# KiCad board dilemma.kicad_pcb (continued)
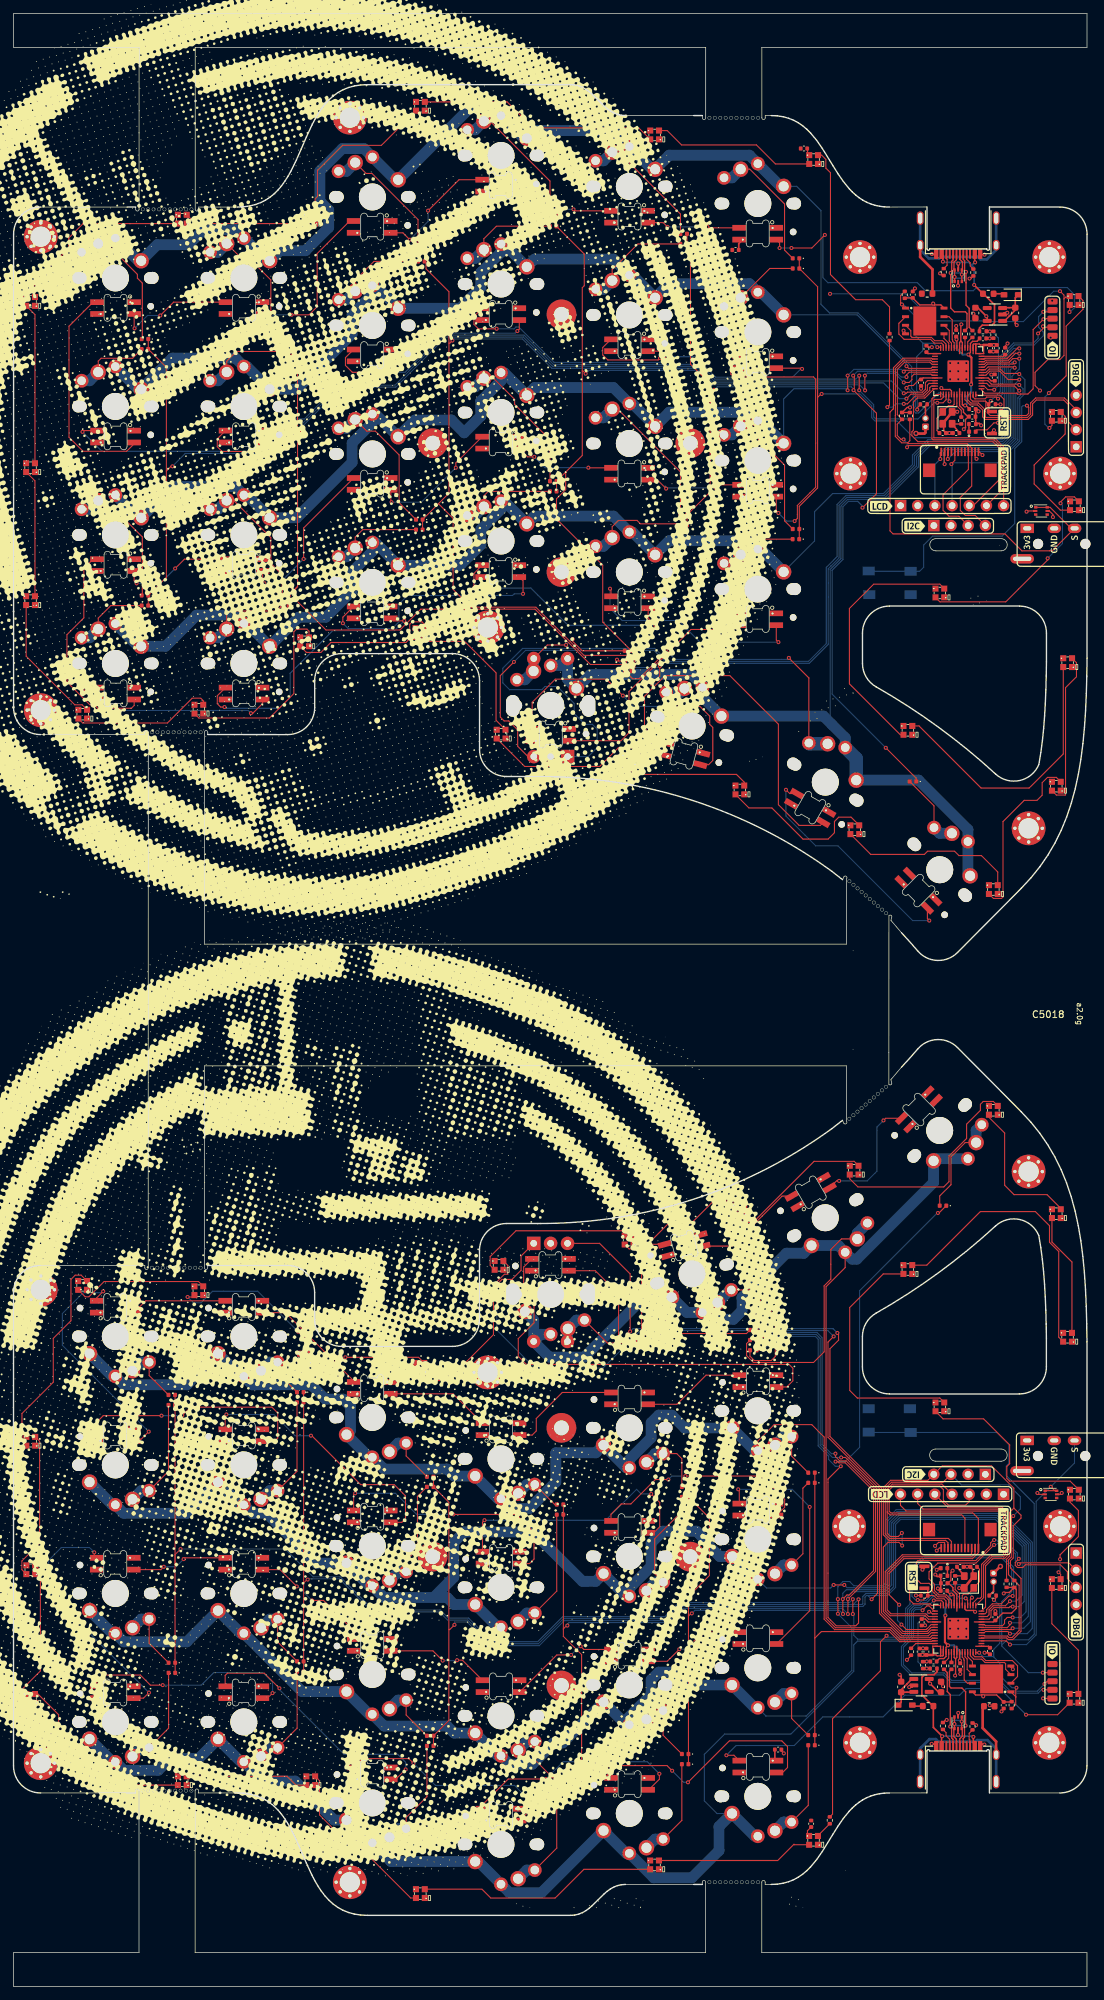
[diagram p0: board, top side]
## Routing (per net, layer and track width the routed paths; a pad name or vN(x,y) marks a point on that pad's centre or on a via; arc(x,y) is an arc through that point) (continued)
VBUS: length 21.4
  Top w0.25: U4.5 139.7,253.88 v1(139.7,254.74) ; v1(142.05,251.59) 142.05,251.58 F1.1 143.42,250.28 145.06,248.64 145.06,246.01 144.68,245.64 143.26,245.64 142.83,245.21 R10.2 ; 142.13,256.09 142.13,254.99 v1(142.19,254.93) ; 137.23,256.09 137.43,255.89 v1(137.43,255.03)
  Bottom w0.25: v1(139.7,254.74) 139.62,254.82 139.62,254.92 ; 141.69,254.5 142.05,254.14 v1(142.05,251.59) ; 141.69,254.5 141.27,254.92 139.62,254.92 ; 141.69,254.5 142.11,254.93 v1(142.19,254.93) ; 139.62,254.92 137.54,254.92
VBUS_L: length 21.2
  Top w0.25: v1(139.66,37.2) 139.66,38.06 U5003.5 ; v1(137.32,37) 137.22,36.9 137.22,35.85 ; v1(137.32,37) 137.28,37 ; v1(137.32,37) 137.32,37 136.02,38.31 136.02,41.44 F5001.1 135.96,41.46 134.32,43.1 134.32,45.72 134.7,46.1 136.12,46.1 136.55,46.52 R5009.2 ; v1(141.93,36.9) 141.93,36.05 142.12,35.85
  Bottom w0.25: 139.74,37.02 139.74,37.12 v1(139.66,37.2) ; 139.74,37.02 137.34,37.02 v1(137.32,37) ; 139.74,37.02 141.81,37.02 v1(141.93,36.9)
/D+: length 19.4
  Top w0.2: 138.93,256.09 138.93,255.28 138.74,255.08 138.74,253.52 v1(138.58,253.36) 138.58,248.17 139.14,247.61 140.75,247.61 140.99,247.37 140.99,245.14 R6.1 ; U4.3 v1(140.22,253.12) U4.4 140.31,253.88 140.31,254.99 139.93,255.37 139.93,256.09
  Bottom w0.2: v1(140.22,253.12) 139.99,253.36 v1(138.58,253.36)
/D+_L: length 19.2
  Top w0.2: 139.42,35.85 139.42,36.57 139.04,36.95 139.04,38.06 U5003.4 v1(139.13,38.81) U5003.3 ; R5006.1 138.39,46.6 138.39,44.36 138.63,44.13 140.24,44.13 140.79,43.58 140.78,43.56 v1(140.78,38.58) 140.62,38.42 140.62,36.85 140.42,36.66 140.42,35.85
  Bottom w0.2: v1(140.78,38.58) 139.37,38.58 v1(139.13,38.81)
/D-: length 18.4
  Top w0.2: 139.43,256.09 139.43,255.32 139.06,254.95 139.06,253.88 U4.6 v1(139.15,252.76) U4.1 ; 140.43,256.09 140.43,255.39 140.64,255.18 140.64,253.71 v1(140.84,253.51) 140.84,251.94 140.85,251.93 140.85,248.58 141.31,248.12 141.31,245.32 R7.1
  Bottom w0.2: v1(140.84,253.51) 140.84,252.99 140.44,252.59 139.32,252.59 v1(139.15,252.76)
/D-_L: length 18.2
  Top w0.2: 139.92,35.85 139.92,36.62 140.29,36.99 140.29,38.06 U5003.6 v1(140.21,39.17) U5003.1 ; 138.92,35.85 138.92,36.55 138.72,36.76 138.72,38.22 v1(138.52,38.43) 138.52,43.14 138.53,43.15 138.07,43.61 138.07,46.41 R5007.1
  Bottom w0.2: v1(140.21,39.17) 140.03,39.35 138.92,39.35 138.52,38.94 v1(138.52,38.43)
/LED: length 12.1
  Top w0.16: 142.28,229.99 142.45,230.16 143.94,230.16 144.97,231.19 v1(145.57,231.19) ; U1.28 142.39,235.29 145.84,235.29 146.45,234.69 146.45,233.44 v1(145.98,232.97)
  Bottom w0.16: v1(145.57,231.19) 145.57,232.56 v1(145.98,232.97)
/LED_L: length 14.4
  Top w0.16: U5002.28 135.73,56.34 135.5,56.57 133.1,56.57 132.5,57.17 132.5,58.67 133,59.17 133.37,59.17 v1(133.46,59.08) ; v1(136.51,61.6) 136.75,61.85 D5001.2
  Bottom w0.16: v1(136.51,61.6) 135.93,62.19 133.99,62.19 133.46,61.66 v1(133.46,59.08)
/MISO: length 28.5
  Top w0.16: 143.13,237.03 143.9,237.03 144.31,236.63 148.01,236.63 148.7,235.95 ; J113.2 137.64,226.86 137.64,225.12 v1(137.68,225.09)
  Bottom w0.16: 148.7,235.95 148.22,235.47 148.22,228.79 146.66,227.23 137.94,227.23 137.55,226.84 137.55,225.22 v1(137.68,225.09)
  vias: v1(148.72,235.95)
/MISO_L: length 27.9
  Top w0.16: U5002.31 135.31,54.7 134.91,55.11 129.75,55.11 129.19,55.67 129.19,61.18 131.55,63.54 141.68,63.54 142.18,64.04 J5007.2
/MOSI: length 36.3
  Top w0.16: J113.5 139.19,225.64 138.68,225.13 ; U1.35 143.77,238.63 144.28,239.14 145.93,239.14 146.57,238.5 148.62,238.5 v1(148.72,238.41)
  Bottom w0.16: 138.68,225.13 138.84,225.29 145.55,225.29 148.79,228.54 148.79,234.75 149.56,235.52 149.56,237.57 v1(148.72,238.41) ; v1(138.68,225.09) 138.78,224.98 J3.4
/MOSI_L: length 59.7
  Top w0.16: J5004.4 137.28,74.27 129.95,74.27 129.19,73.51 129.19,70.15 ; 129.19,70.15 129.61,69.73 140.2,69.73 140.68,69.25 J5007.5 ; 129.19,70.15 129.19,67.02 129.68,66.53 130.83,66.53 v1(131.36,67.06) ; v1(131.41,65.19) 130.92,65.67 129.32,65.67 128.62,64.96 128.62,55.43 131.56,52.49 134.93,52.49 134.93,52.49 135.09,52.49 135.7,53.1 U5002.35
  Bottom w0.16: v1(131.41,65.19) 131.41,67.01 v1(131.36,67.06)
/QSPI_D0: length 2.4
  Top w0.16: U2.5 137.59,243.68 138.29,242.98 U1.53
/QSPI_D0_L: length 2.4
  Top w0.16: U5002.53 141.09,48.75 141.79,48.05 U5004.5
/QSPI_D1: length 10.7
  Top w0.16: U1.55 137.49,242.72 137.23,242.98 136.17,242.98 135.61,243.55 131.69,243.55 130.92,244.32 130.92,245.91 U2.2
/QSPI_D1_L: length 10.7
  Top w0.16: U5004.2 148.46,45.82 148.46,47.41 147.69,48.19 143.78,48.19 143.21,48.75 142.15,48.75 141.89,49.02 U5002.55
/QSPI_D2: length 8.2
  Top w0.16: U2.3 132.68,244.85 132.68,244.01 132.86,243.83 135.72,243.83 136.22,243.33 137.39,243.33 137.89,242.83 U1.54
/QSPI_D2_L: length 8.2
  Top w0.16: U5002.54 141.49,48.9 141.99,48.4 143.16,48.4 143.66,47.9 146.52,47.9 146.7,47.72 146.7,46.89 U5004.3
/QSPI_D3: length 5.7
  Top w0.16: U1.51 139.09,243.04 138.86,243.27 138.86,243.43 138.8,243.49 138.8,246.41 138.32,246.89 U2.7
/QSPI_D3_L: length 5.7
  Top w0.16: U5004.7 141.06,44.84 140.58,45.32 140.58,48.25 140.52,48.31 140.52,48.47 140.29,48.7 U5002.51
/QSPI_SCLK: length 3.8
  Top w0.16: U1.52 138.69,242.98 138.37,243.31 138.37,244.84 U2.6
/QSPI_SCLK_L: length 3.8
  Top w0.16: U5002.52 140.69,48.75 141.01,48.42 141.01,46.89 U5004.6
/QSPI_~{CS}: length 25.2
  Top w0.16: 131.18,248.96 131.18,248.89 U2.1 ; 131.18,248.96 131.18,250.03 R9.1 ; 131.18,248.96 131.37,248.77 v1(131.37,248.7) ; v1(136.59,242.38) 137.09,242.38 U1.56 ; R3.2 134.08,233.85 133.63,233.4 v1(133.63,233.16)
  Bottom w0.16: 134.44,242.38 134.44,241.88 133.54,240.98 133.54,235.93 133.63,235.85 v1(133.63,233.16) ; 134.44,242.38 134.44,243.01 133.3,244.15 133.3,246.99 131.59,248.7 v1(131.37,248.7) ; 134.44,242.38 134.44,242.88 134.52,242.96 136.03,242.96 136.59,242.4 v1(136.59,242.38)
/QSPI_~{CS}_L: length 24.3
  Top w0.16: 148.2,42.78 148.2,44.07 v1(148.3,44.17) ; 148.2,42.78 148.2,41.71 R5011.1 ; 148.2,42.78 148.2,42.85 U5004.1 ; v1(144.98,57.16) 145.3,57.48 R5003.2 ; v1(142.79,49.35) 142.29,49.35 U5002.56
  Bottom w0.16: v1(148.3,44.17) 147.64,44.17 145.84,45.97 145.84,47.83 144.94,48.73 144.94,49.35 ; v1(142.79,49.35) 142.79,49.33 143.35,48.77 144.86,48.77 144.94,48.85 144.94,49.35 ; 144.94,49.35 144.94,49.85 145.84,50.75 145.84,56.3 v1(144.98,57.16)
/SCLK: length 36.4
  Top w0.16: 148.74,237.59 147.08,237.59 145.82,238.85 144.39,238.85 143.78,238.23 U1.34 ; v1(137.04,225.85) 137.04,226.76 J113.1
  Bottom w0.16: J3.3 136.24,225.05 v1(137.04,225.85) 137.04,226.74 137.85,227.54 146.57,227.54 147.93,228.91 147.93,236.8 148.72,237.59
  vias: v1(148.72,237.59)
/SCLK_L: length 65.8
  Top w0.16: J5004.3 141.31,71.7 140.78,71.17 138.25,71.17 137.5,71.92 137.5,73.47 136.98,73.98 130.06,73.98 129.48,73.39 129.48,70.27 129.73,70.02 141.84,70.02 142.68,69.18 J5007.1 142.68,64.14 141.79,63.25 131.66,63.25 129.48,61.07 129.48,57.92 v1(130.96,56.44) ; v1(131.3,53.52) 132.04,52.78 134.97,52.78 135.69,53.5 U5002.34
  Bottom w0.16: v1(131.3,53.52) 130.71,54.1 130.71,56.19 v1(130.96,56.44)
/SWCLK: length 24.5
  Top w0.16: J105.3 155.98,231.35 155.98,233.89 155.3,234.57 151.24,234.57 150.69,234.01 150.69,232.36 150.03,231.7 143.68,231.7 143.29,232.08 143.29,233.1 142.56,233.84 141.46,233.84 140.69,234.6 U1.24
/SWCLK_L: length 32.9
  Top w0.16: J5005.3 156.04,62.64 148.83,62.64 v1(148.65,62.46) ; U5002.24 138.69,57.13 137.92,57.9 136.82,57.9 136.18,58.54 136.18,59.47 135.38,60.27 135.38,61.31 136.68,62.61 142.32,62.61 v1(145,65.29)
  Bottom w0.16: v1(145,65.29) 145.06,65.35 145.37,65.35 145.55,65.53 146.58,65.53 148.14,63.97 148.14,62.96 v1(148.65,62.46)
/SWD: length 21.8
  Top w0.16: J105.2 157.14,233.13 155.4,234.87 151.14,234.87 150.4,234.13 150.4,232.48 149.91,231.98 143.8,231.98 143.7,232.08 143.7,233.1 142.68,234.12 141.58,234.12 141.09,234.61 U1.25
/SWD_L: length 40.5
  Top w0.16: U5002.25 138.29,57.13 137.8,57.61 136.7,57.61 136.09,58.22 135.89,58.42 135.89,59.11 135.4,59.61 134.15,59.61 133.54,60.22 133.54,62.78 133.73,62.97 142.27,62.97 144.49,65.18 144.49,65.6 144.9,66.01 v1(145,66.01) ; J5005.2 155.84,60.3 155.84,61.31 154.8,62.35 149.64,62.35 149.24,61.95 148.44,61.95 148.13,62.26 148.13,62.71 v1(148.65,63.24)
  Bottom w0.16: v1(145,66.01) 145.36,66.01 145.56,65.82 146.7,65.82 148.43,64.09 148.43,63.46 v1(148.65,63.24)
/~{RESET_L}: length 107.6
  Top w0.16: U5002.26 137.89,57.02 137.59,57.32 136.54,57.32 136.07,57.8 R5002.1 134.54,57.14 v1(133.71,57.14) ; J5008.4 v1(152.2,46.4)
  Top w0.25: R5002.1 135.2,58.84 135.16,58.88 SW5001.2
  Bottom w0.16: J5008.4 v1(152.2,46.4) 150.07,46.4 146.12,50.34 146.12,50.49 ; 146.12,50.49 146.89,51.26 150.09,51.26 150.93,52.09 150.93,71.41 146.79,75.55 146.79,76.94 147.18,77.33 147.18,80.1 145.36,81.92 SW5021.1 126.5,81.92 SW5021.1 ; 146.12,50.49 146.12,56.89 147.6,58.36 147.6,61.87 146.08,63.39 134.73,63.39 132.85,61.51 132.85,57.69 133.4,57.14 v1(133.71,57.14)
/~{RESET}: length 79.2
  Top w0.16: v1(151.5,244.41) 152.23,245.14 v1(152.23,245.47) 152.36,245.33 J4.4 ; v1(149.85,233.74) 150.12,233.47 150.12,232.6 149.79,232.27 144.42,232.27 143.99,232.7 143.99,233.22 143.78,233.43 143.78,234.34 143.74,234.38 ; 143.74,234.38 143.71,234.41 141.8,234.41 141.49,234.71 U1.26 ; 143.74,234.38 R2.1 144.49,234.24 v1(144.49,234.43)
  Top w0.25: SW1.2 144.22,232.86 144.18,232.89 R2.1
  Bottom w0.16: v1(149.85,233.74) 149.27,233.74 149.08,233.55 149.08,228.42 148.05,227.39 148.05,216.31 146.19,214.45 135.91,214.45 134.58,213.12 134.58,209.85 133.97,209.24 SW5022.1 126.5,209.24 SW5022.1 ; v1(152.23,245.47) 152.38,245.32 J5010.4 ; v1(151.5,244.41) 151.5,243.69 150.81,243 147.88,243 145.93,241.04 145.93,235.86 v1(144.49,234.43)
ENC_PIN1: length 134.5
  Top w0.16: v1(74,195.84) 71.97,193.82 71.97,187.69 72.55,187.12 73.22,187.12 74.55,185.79 74.55,183.37 76.07,181.85 SW3002.B ; 148.13,239.35 148.01,239.47 144.11,239.47 143.67,239.03 143.13,239.03
  Bottom w0.16: 148.13,239.35 147.69,239.35 147.36,239.02 147.36,229.14 146.33,228.12 135.41,228.12 133.52,226.23 133.52,224.82 128.87,220.16 123.22,220.16 122.07,219.01 122.07,211.23 120.87,210.03 120.87,210.03 120.47,209.63 120.47,198.44 117.67,195.64 96.62,195.64 94.71,197.55 75.71,197.55 v1(74,195.84)
  vias: v1(148.04,239.35)
ENC_PIN1_L: length 105.2
  Top w0.16: U5002.36 135.7,52.7 135.2,52.2 131.42,52.2 128.33,55.29 128.33,73.72 120.72,81.32 120.72,94.29 122,95.57 122,96.45 v1(121.82,96.63) ; v1(91.17,96.84) 91.17,105.37 86.67,109.88 SW5020.B
  Bottom w0.16: v1(91.17,96.84) 91.6,97.27 121.18,97.27 v1(121.82,96.63)
ENC_PIN2: length 147.1
  Top w0.16: v1(148.04,240.14) 147.79,239.89 144,239.89 143.55,239.43 143.13,239.43
  Bottom w0.16: SW3002.A 84.98,181.85 86.3,183.17 86.3,185.92 85.6,186.62 84.5,186.62 82.9,188.22 82.9,189.72 80.4,192.22 78.6,192.22 78.12,191.74 73.35,191.74 72.35,192.74 72.35,194.91 75.28,197.84 94.83,197.84 96.74,195.93 117.55,195.93 120.18,198.56 120.18,209.82 121.78,211.42 121.78,219.13 123.1,220.45 128.75,220.45 133.21,224.91 133.21,226.32 135.31,228.41 146.23,228.41 147.07,229.26 147.07,239.57 147.64,240.14 v1(148.04,240.14)
ENC_PIN2_L: length 124.9
  Top w0.16: v1(71.47,100.37) 71.47,103.79 72.22,104.54 73.7,104.54 75.05,105.89 75.05,108.01 SW5020.A ; U5002.37 135.73,52.3 135.27,51.85 131.36,51.85 128.04,55.17 128.04,73.6 120.44,81.2 120.44,95.28 v1(121.27,96.12)
  Bottom w0.16: v1(121.27,96.12) 120.41,96.98 92.71,96.98 87.17,91.44 77.07,91.44 71.47,97.04 v1(71.47,100.37)
encoder_diode: length 20.4
  Top w0.16: SW3002.S1 78.93,198.35 v1(81.7,198.35) ; v1(82.68,199.21) 82.68,198.9 84.09,197.49 D5082.2
  Bottom w0.16: v1(81.7,198.35) 82.56,199.21 v1(82.68,199.21)
  Bottom w1.6: SW3001.2 75.62,193.21 SW3001.2 76.9,196.32 SW3002.S1
encoder_diode_L: length 31.6
  Top w0.16: SW5013.2 87.81,95.14 92.22,95.14 93.62,96.54 108.37,96.54 D5088.2
  Bottom w1.6: SW5013.2 83.25,98.53 SW5013.2 81.92,97.2 SW5020.S1
HAND: length 3.6
  Top w0.16: R101.1 146.39,241.03 143.13,241.03
HAND_L: length 3.8
  Top w0.16: R5012.1 133.41,50.7 U5002.41
IO16: length 25.2
  Top w0.16: U1.27 141.89,234.99 142.14,234.75 143.67,234.75 143.93,235.01 145.34,235.01 v1(145.58,234.77) ; v1(152.28,247.61) 153.37,247.61 J4.2
  Bottom w0.16: v1(145.58,234.77) 146.21,235.4 146.21,240.93 148,242.71 150.93,242.71 152.28,244.06 152.28,244.63 151.59,245.32 151.59,246.92 v1(152.28,247.61) 152.53,247.86 J5010.2
IO16_L: length 40.1
  Top w0.16: v1(152.31,43.86) J5008.2 ; U5002.27 137.49,56.78 137.23,57.04 136.12,57.04 v1(136.08,57.07)
  Bottom w0.16: J5008.2 153.62,43.86 v1(152.31,43.86) 151.99,43.86 151.51,43.37 147.29,43.37 145.7,44.97 138.6,44.97 137.5,46.07 132.7,46.07 131.3,47.47 131.3,50.28 132.79,51.76 132.79,55.54 133.3,56.06 134.15,56.06 134.59,56.49 135.5,56.49 v1(136.08,57.07)
IO18: length 22.1
  Top w0.16: J4.3 152.38,246.6 v1(152.29,246.51) 150.77,244.99 150.77,236.23 150,235.45 148.92,235.45 148.91,235.44 148.49,235.44 148.35,235.58 143.62,235.58 143.13,236.07 U1.29
  Bottom w0.16: J5010.3 152.37,246.59 v1(152.29,246.51)
IO18_L: length 38
  Top w0.16: v1(152.45,44.72) 152.86,45.13 J5008.3 ; U5002.29 136.17,55.5 135.8,55.87 135.79,55.87 135.38,56.28 135.08,56.28 v1(134.42,55.63)
  Bottom w0.16: J5008.3 152.86,45.13 v1(152.45,44.72) 151.39,43.66 147.41,43.66 145.82,45.25 138.72,45.25 137.62,46.35 132.82,46.35 131.59,47.59 131.59,50.16 133.07,51.64 133.07,55.42 133.42,55.77 134.29,55.77 v1(134.42,55.63)
M_COL1: length 204.9
  Top w0.16: D5069.1 40.68,205.67 D5068.1 41.89,206.88 ; 42,228.47 42,206.99 41.89,206.88 ; 42,228.47 42,229.37 v1(42.7,230.07) ; 42,228.47 42,240.4 D5067.1 D5091.1 ; 136.26,237.43 135.14,237.43 134.84,237.13 134.84,236.17 134.4,235.73 132.19,235.73 132.03,235.57 v1(131.64,235.57) ; D5070.1 90.84,195.47 85.3,195.47 77.12,203.65 60.22,203.65 57.14,200.57 46.2,200.57 41.6,205.17 41.6,206.59 41.89,206.88
  Bottom w0.16: v1(42.7,230.07) 42.7,230.66 48.52,236.48 56.52,236.48 63.92,243.88 75.38,243.88 79.71,239.55 101.41,239.55 103.58,237.38 129.83,237.38 v1(131.64,235.57)
M_COL1_L: length 247.6
  Top w0.16: v1(147.74,56.17) 147.35,56.17 147.2,56.01 144.98,56.01 144.54,55.57 144.54,54.6 144.24,54.3 U5002.11 ; D5003.1 D5083.1 42.9,86.35 42.9,59.67 ; D5103.1 D5002.1 42.9,59.67 ; D5084.1 110.85,94.07 v1(111,94.22) ; 42.9,59.67 43.4,60.17 v1(43.5,60.17) ; v1(124.95,57.25) 124.95,53.74 124.54,53.33 121.66,53.33 120.44,54.55 120.44,75.02 v1(122.33,76.92)
  Bottom w0.16: v1(124.95,57.25) 124.28,56.58 124.28,56.48 ; v1(147.74,56.17) 148.7,56.17 149.44,56.91 149.44,65.24 145.33,69.35 131.06,69.35 130.14,68.43 130.14,59.11 129.13,58.09 126.02,58.09 125.59,57.66 125.59,56.6 125.47,56.48 124.28,56.48 ; v1(111,94.22) 112.9,96.12 118.57,96.12 118.99,95.7 118.99,79.92 120.53,78.38 120.53,77.92 121.53,76.92 v1(122.33,76.92) ; v1(43.5,60.17) 43.61,60.28 48.18,60.28 53.08,55.38 62.98,55.38 64.18,54.18 67.18,54.18 70.68,50.68 77.62,50.68 81.32,54.38 96.42,54.38 98.52,56.48 124.28,56.48
M_COL2: length 168.2
  Top w0.16: D5092.1 D5071.1 61,254.85 61,253.97 64.39,250.58 64.39,242.97 ; 60.48,215.4 60.48,216.9 62.83,219.24 ; 136.26,237.03 135.39,237.03 135.13,236.77 135.13,236.05 134.52,235.44 132.71,235.44 v1(132.04,234.77) ; 64.39,242.97 64.5,242.97 v1(64.9,243.37) ; 64.39,242.97 64.39,220.8 62.83,219.24 ; D5074.1 91.87,194.99 91.87,196.31 91.41,196.77 91.41,196.82 84.36,196.82 77.24,203.93 67.63,203.93 65,206.57 65,217.07 62.83,219.24
  Bottom w0.16: v1(132.04,234.77) 130.99,234.77 128.66,237.09 103.46,237.09 101.29,239.27 79.59,239.27 75.26,243.59 65.13,243.59 v1(64.9,243.37)
M_COL2_L: length 213.9
  Top w0.16: 64.38,52.77 64.5,52.77 v1(65.2,53.47) ; 64.38,52.77 64.38,39.34 D5005.1 D5104.1 ; 64.38,52.77 64.38,71.59 D5086.1 D5006.1 ; v1(147.34,56.97) 146.67,56.29 144.86,56.29 144.25,55.69 144.25,54.96 143.99,54.7 U5002.12 ; v1(110.99,95.2) 110.24,95.2 D5085.1 ; v1(126.89,57.26) 127.76,58.12 127.76,73.48 123.02,78.22 v1(122.38,78.22)
  Bottom w0.16: v1(110.99,95.2) 112.2,96.41 118.69,96.41 119.27,95.82 119.27,80.04 121.1,78.22 v1(122.38,78.22) ; 126.14,57.81 129.24,57.81 130.43,58.99 130.43,68.31 131.18,69.07 145.19,69.07 149.16,65.1 149.16,57.87 148.26,56.97 v1(147.34,56.97) ; 126.14,57.81 126.34,57.81 v1(126.89,57.26) ; 126.14,57.81 125.91,57.58 125.91,56.52 125.59,56.19 98.64,56.19 96.54,54.09 81.44,54.09 77.74,50.39 70.56,50.39 67.06,53.89 65.23,53.89 65.2,53.87 v1(65.2,53.47)
M_COL3: length 133.2
  Top w0.16: D5093.1 80.29,260.28 D5075.1 84.39,256.16 84.39,251.46 84.1,251.17 84.1,238.87 ; 81.65,223.92 D5076.1 80.29,221.07 D5081.1 ; 81.65,223.92 84.1,226.37 84.1,238.87 ; 81.65,223.92 81.65,221.32 80.29,219.97 80.29,216.99 87.13,210.15 87.13,201.72 D5082.1 ; 84.1,238.87 84.2,238.87 v1(84.6,238.47) ; v1(125.89,238.18) 125.89,236.03 v1(125.92,236) ; U1.9 135.82,238.23 135.66,238.39 133.17,238.39 132.84,238.07 132.84,237.57 132.44,237.17 v1(131.64,237.17)
  Bottom w0.16: v1(131.64,237.17) 130.28,238.53 126.24,238.53 v1(125.89,238.18) ; v1(125.92,236) 125.11,236.81 103.34,236.81 101.18,238.97 85.1,238.97 v1(84.6,238.47)
M_COL3_L: length 202.4
  Top w0.16: v1(81.9,53.37) 81.8,53.37 81.3,52.87 ; v1(147.74,54.57) 146.94,54.57 146.54,54.17 146.54,53.67 146.22,53.34 143.72,53.34 143.56,53.5 U5002.9 ; 81.3,52.87 D5087.1 D5008.1 ; 81.3,52.87 81.3,51.77 84,49.07 84,32.97 D5007.1 D5105.1 ; v1(123.38,55.07) 123.38,55.07 v1(123.38,57.27) 127.47,61.36 127.47,73.36 123.12,77.71 122.17,77.71 121.54,78.34 v1(121.54,78.78) ; D5088.1 110.74,96.2 v1(110.98,96.2)
  Bottom w0.16: v1(81.9,53.37) 81.9,53.57 82.14,53.81 96.66,53.81 98.76,55.91 116.6,55.91 ; v1(110.98,96.2) 111.48,96.69 118.8,96.69 119.56,95.94 119.56,80.16 120.94,78.78 v1(121.54,78.78) ; 116.67,55.91 122.54,55.91 v1(123.38,55.07) ; v1(147.74,54.57) 148.91,54.57 149.73,55.39 149.73,65.36 145.45,69.64 130.94,69.64 129.85,68.55 129.85,59.35 128.89,58.38 124.06,58.38 123.38,57.7 v1(123.38,57.27)
M_COL4: length 152.9
  Top w0.16: v1(103.6,236.07) 103.4,236.07 103,235.67 ; v1(128.98,183.15) 133.48,178.64 133.48,178.17 ; v1(125.54,218.65) 127.6,220.71 127.6,232.63 v1(124.21,236.02) ; 124.32,236.07 124.32,238.01 v1(124.16,238.17) ; 103,235.67 103,220.98 99.58,217.57 99.58,216.07 ; 103,235.67 103,236.97 100.1,239.87 100.1,257.13 99.58,257.64 99.58,259.14 ; v1(132.04,237.97) 132.04,238.27 132.45,238.68 136.21,238.68 U1.8
  Bottom w0.16: 124.32,236.07 123.88,236.52 104.05,236.52 v1(103.6,236.07) ; v1(128.98,183.15) 121.05,191.08 121.05,209.39 122.64,210.99 122.64,218.77 123.46,219.59 124.82,219.59 125.54,218.87 v1(125.54,218.65) ; v1(124.16,238.17) 124.8,238.82 130.39,238.82 131.24,237.97 v1(132.04,237.97)
M_COL4_L: length 199.3
  Top w0.16: D5106.1 D5010.1 99.8,54.77 ; 137.92,115.45 136.84,114.37 v1(136.69,114.37) ; 99.8,54.77 100.2,55.17 v1(100.3,55.17) ; 99.8,54.77 99.8,57.67 102.9,60.77 102.9,69.27 D5089.1 D5009.1 ; v1(122.65,55.08) 122.63,55.1 v1(122.63,57.27) 123.24,57.89 123.59,57.89 127.18,61.48 127.18,73.24 123,77.42 122.05,77.42 121.87,77.61 v1(121.56,77.61) ; v1(147.34,53.77) 147.34,53.47 146.93,53.05 143.17,53.05 U5002.8
  Bottom w0.16: v1(122.63,57.27) 122.63,58.14 123.15,58.67 128.77,58.67 129.57,59.47 129.57,68.67 130.83,69.93 145.57,69.93 150.07,65.43 150.07,54.73 149.11,53.77 v1(147.34,53.77) ; v1(121.56,77.61) 122.99,77.61 125.11,79.73 125.11,102.89 136.59,114.37 v1(136.69,114.37) ; v1(100.3,55.17) 100.75,55.62 122.11,55.62 v1(122.65,55.08)
M_COL5: length 95.9
  Top w0.16: 118.9,234.97 119.4,235.47 v1(119.5,235.47) ; 118.9,234.97 118.9,251.31 D5079.1 D5095.1 ; 118.9,234.97 118.9,221.57 116.19,218.86 D5080.1 116.19,214.01 D115.1 ; 148.73,242.2 148.43,242.2 146.97,240.75 143.65,240.75 143.53,240.63 U1.40
  Bottom w0.16: v1(119.5,235.47) 125.15,235.47 126.9,233.72 126.9,231.96 127.38,231.48 130.63,231.48 133.12,228.99 145.99,228.99 146.5,229.5 146.5,240.81 147.9,242.2 148.73,242.2
  vias: v1(148.72,242.2)
M_COL5_L: length 59.1
  Top w0.16: U5002.40 135.84,51.1 135.73,50.99 131.25,50.99 131.24,50.99 131.01,50.99 129.53,52.47 119.45,52.47 118.48,51.51 ; 118.48,51.51 118.48,35.67 ; 118.48,51.51 118.48,75.97
M_COL6: length 175
  Top w0.16: D5097.1 19.92,242.09 D5098.1 22.6,239.41 22.6,224.07 ; 125.05,236.07 125.05,236.07 v1(125.05,238.17) ; v1(136.6,234.16) 137.45,234.16 137.89,234.61 U1.17 ; 22.6,224.07 22.6,208.36 D5099.1 D5096.1 ; 22.6,224.07 23.3,224.77 v1(23.5,224.77)
  Bottom w0.16: v1(125.05,236.01) 127.19,233.88 127.19,232.08 127.5,231.77 133.74,231.77 136.14,234.16 v1(136.6,234.16) ; v1(23.5,224.77) 25.4,226.67 38.3,226.67 48.4,236.77 56.4,236.77 63.8,244.17 75.5,244.17 79.83,239.84 101.53,239.84 103.7,237.67 124.55,237.67 v1(125.05,238.17)
M_COL6_L: length 182.9
  Top w0.16: v1(141.72,57.49) 141.49,57.26 U5002.17 ; v1(24.7,64.67) 23.88,63.85 23.88,62.47 ; 23.88,62.47 D5102.1 D5100.1 ; 23.88,62.47 23.88,47.88 D5101.1 D5108.1 ; v1(124.11,55.07) 124.11,55.07 v1(124.11,57.26)
  Bottom w0.16: v1(124.11,57.26) 123.61,56.77 98.4,56.77 96.3,54.67 81.2,54.67 77.5,50.97 70.8,50.97 67.3,54.47 64.3,54.47 63.1,55.67 53.2,55.67 48.3,60.57 44.3,60.57 40.19,64.68 24.71,64.68 v1(24.7,64.67) ; v1(124.11,55.07) 124.25,54.92 124.25,51.92 124.81,51.35 131.57,51.35 132.21,52 132.21,55.78 133.06,56.63 133.91,56.63 134.35,57.07 134.95,57.07 135.8,57.92 135.8,59.12 136.09,59.41 140.05,59.41 141.72,57.73 v1(141.72,57.49)
M_ROW1: length 168.2
  Top w0.16: U1.38 143.54,239.83 143.88,240.17 147.25,240.17 147.76,240.69 148.73,240.69
  Bottom w0.16: 148.73,240.69 148.73,239.17 147.65,238.09 147.65,229.02 146.45,227.83 135.53,227.83 133.81,226.11 133.81,224.7 128.99,219.88 123.34,219.88 122.36,218.89 122.36,211.11 120.76,209.51 120.76,186.85 121.02,186.59
  Bottom w1.6: SW119.1 122.99,184.62 119.77,187.84 SW118.1 101.87,190.65 SW118.1 101.87,192.34 100.2,194 97.68,194 97.64,193.97 85.27,193.97 SW3001.1 81.93,193.27 SW3002.S2 80.89,195.31 SW3001.1 ; SW5041.1 141.13,164.54 SW5041.1 141.13,171.06 133.82,178.36 SW119.1
  Bottom w2: SW119.1 124.61,181.56 SW119.1
  vias: v1(148.72,240.69)
M_ROW1_L: length 165.3
  Top w0.16: U5002.38 135.83,51.9 135.49,51.56 131.24,51.56 129.76,53.04 121.54,53.04 120.15,54.43 120.15,103.47 122.98,106.3 SW5009.1
  Bottom w1.6: SW5013.1 77.97,96.43 SW5020.S2 ; SW5042.1 136.37,122.4 SW5042.1 136.05,118.89 124.7,107.54 123.99,107.54 SW5009.1 121.97,109.56 SW5009.1 116.86,108.42 114.29,108.42 107.72,101.85 107.72,99.92 106.45,98.65 102.87,98.65 SW5005.1 99.57,99.66 SW5005.1 93.25,101.92 84.4,93.07 79.23,93.07 SW5020.S2 ; SW5020.S2 76.92,98.49 SW5013.1
M_ROW2: length 153.1
  Top w0.16: 136.26,239.43 135.84,239.43 135.66,239.25 132.35,239.25 v1(132.04,239.57)
  Bottom w0.16: SW115.1 124.76,247.16 132.04,239.88 v1(132.04,239.57)
  Bottom w1.6: SW115.1 110.51,250.52 SW115.1 108.81,251.77 96.96,251.77 SW112.1 91.51,253.05 SW112.1 88.71,255.4 77.04,255.4 SW107.1 72.54,257.62 SW107.1 72.09,256.41 69.1,253.42 69.1,251.19 66.04,248.14 SW104.1 53.51,251.5 SW104.1 53.06,250.19 50.07,247.2 50.07,244.36 41.88,236.16 SW101.1 34.51,239.52 SW101.1 32.81,240.77 23.48,240.77 SW5029.1 18.42,236.16 SW5029.1
M_ROW2_L: length 217.3
  Top w0.16: U5002.6 143.54,52.3 143.72,52.48 147.03,52.48 v1(147.34,52.17) ; v1(121.9,57.27) v1(121.9,55.11)
  Bottom w0.16: v1(121.9,57.27) 121.9,59.13 122.64,59.87 123.64,59.87 124.28,59.24 128.53,59.24 128.99,59.71 128.99,68.97 130.53,70.5 145.8,70.5 150.64,65.66 150.64,52.92 149.89,52.17 v1(147.34,52.17) ; SW5017.1 111.22,40.04 111.22,39.99 117.22,39.99 123.96,46.74 123.96,53.05 v1(121.9,55.11)
  Bottom w1.6: SW5032.1 14.6,52.21 SW5032.1 16.3,50.96 25.63,50.96 SW5002.1 33.6,52.21 SW5002.1 42.67,43.6 SW5006.1 52.6,40.24 SW5006.1 54.79,38.51 64.13,38.51 65.16,37.47 SW5010.1 71.63,34.11 SW5010.1 73.33,32.86 76.72,32.86 79.87,36.02 81.21,36.02 SW5014.1 90.6,38.69 SW5014.1 91.05,39.9 94.28,43.12 94.28,45.35 95.41,46.48 97.34,46.48 99.24,44.57 SW5017.1 109.6,41.21 SW5017.1
M_ROW3: length 161.2
  Top w0.16: v1(123.34,236.01) v1(123.34,238.18) ; v1(131.64,238.77) 131.84,238.97 135.79,238.97 135.86,239.03 136.26,239.03
  Bottom w0.16: v1(123.34,236.01) 123.12,236.23 115.39,236.23 113.87,234.72 SW116.1 ; v1(131.64,238.77) 131.3,239.1 124.27,239.1 v1(123.34,238.18)
  Bottom w1.6: SW116.1 110.51,231.52 SW116.1 108.81,232.77 96.96,232.77 SW113.1 91.51,234.05 SW113.1 88.71,236.4 77.04,236.4 SW108.1 72.54,238.62 SW108.1 72.09,237.41 69.1,234.42 69.1,232.19 66.63,229.73 64.74,231.62 59.36,231.62 SW105.1 53.51,232.5 SW105.1 53.06,231.19 50.07,228.2 50.07,225.36 41.88,217.16 SW102.1 34.51,220.52 SW102.1 32.81,221.77 23.48,221.77 SW5030.1 18.42,217.16 SW5030.1
M_ROW3_L: length 215.8
  Top w0.16: v1(121.27,59.37) v1(122.85,59.37) ; U5002.7 143.53,52.7 143.59,52.77 147.54,52.77 v1(147.74,52.97)
  Bottom w0.16: SW5018.1 111.35,58.92 120.82,58.92 v1(121.27,59.37) ; v1(147.74,52.97) 149.39,52.97 150.35,53.93 150.35,65.54 145.69,70.21 130.64,70.21 129.28,68.85 129.28,59.59 128.65,58.95 123.26,58.95 v1(122.85,59.37)
  Bottom w1.6: SW5011.1 71.63,53.11 SW5011.1 65.16,56.47 64.13,57.51 62.11,57.51 ; SW5018.1 109.6,60.21 SW5018.1 104.42,63.57 102.74,65.25 102.74,65.56 100.99,67.32 96.04,67.32 94.28,65.56 94.28,62.12 91.05,58.9 SW5015.1 90.6,57.69 SW5015.1 86.1,59.91 84.13,59.91 76.82,67.22 66.67,67.22 65.1,65.64 65.1,60.49 62.11,57.51 ; 62.11,57.51 54.79,57.51 SW5007.1 52.6,59.24 SW5007.1 44.79,62.6 37.42,69.96 35.3,69.96 SW5003.1 33.6,71.21 SW5003.1 25.63,69.96 16.3,69.96 SW5033.1 14.6,71.21 SW5033.1